# Allegro board LAUNCHXL-CC1312R1.brd (continued)
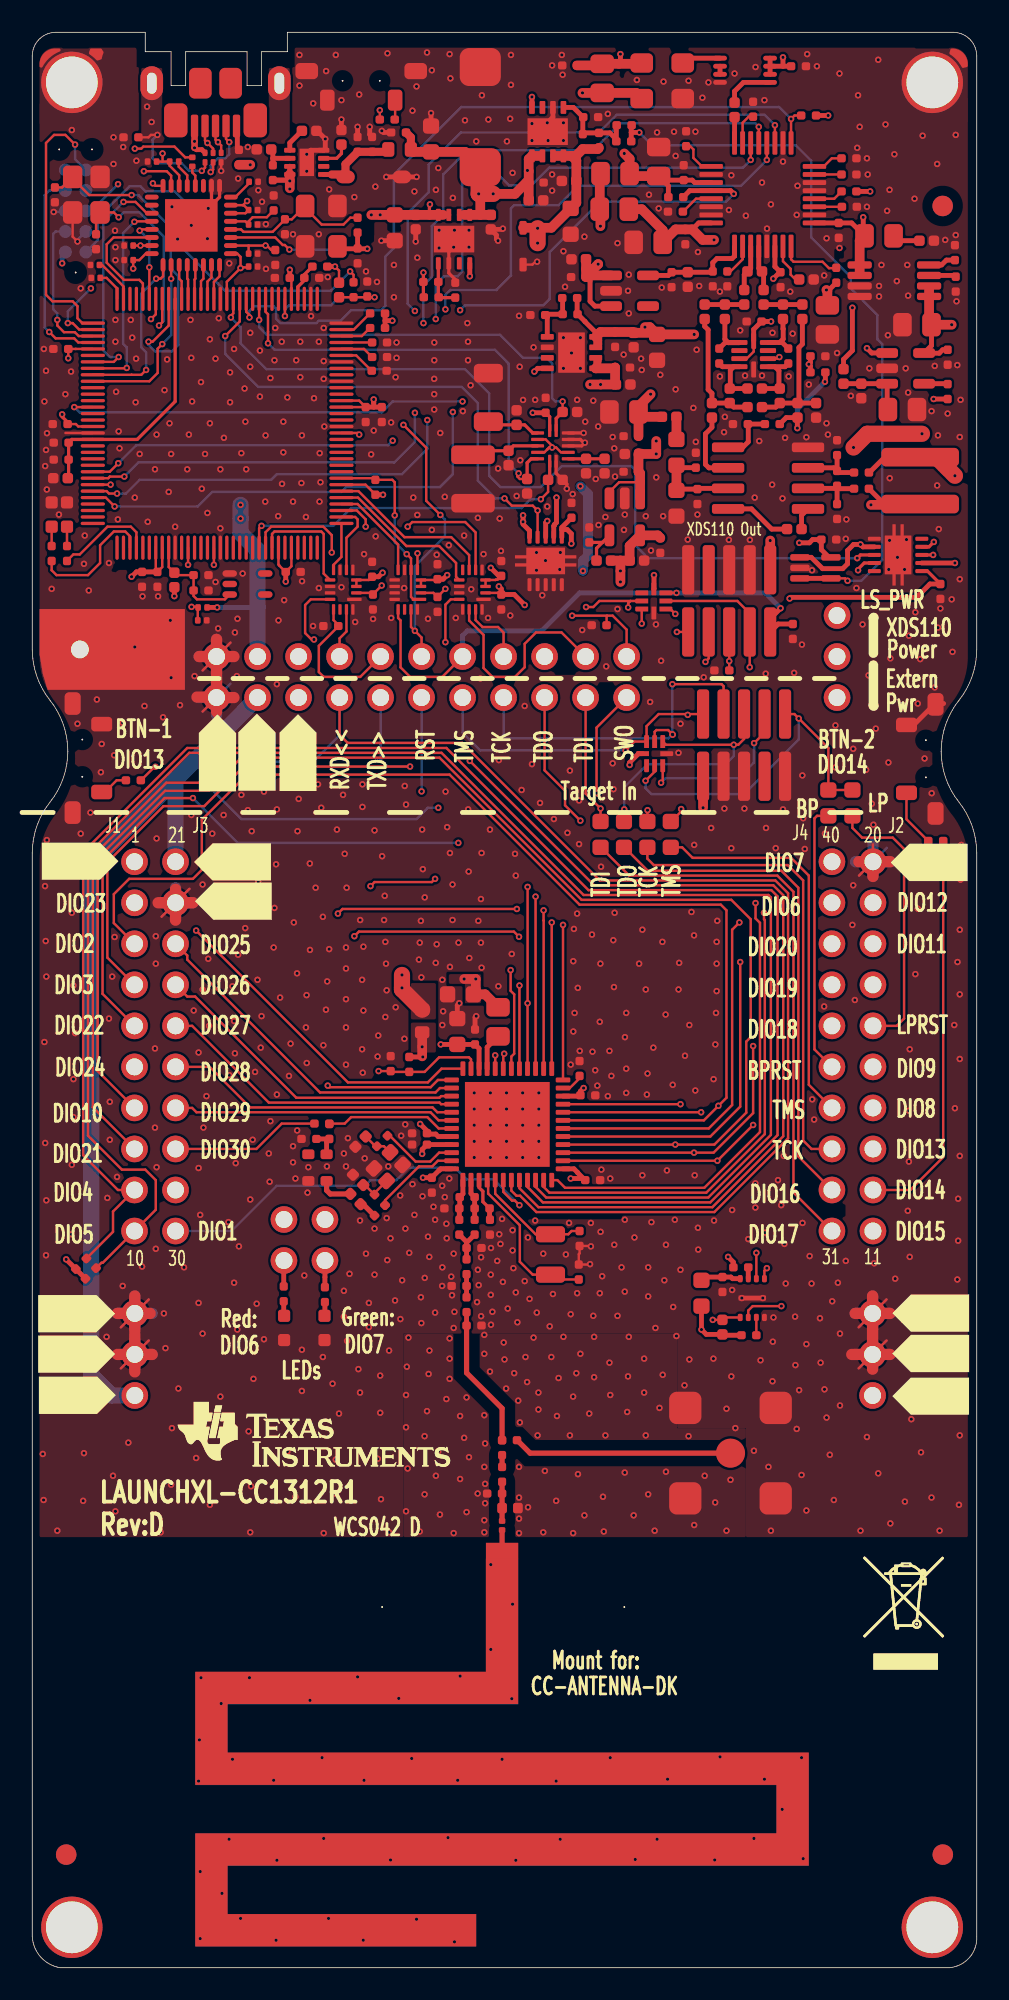
[diagram p0: board, top side]
## Nets (continued)
N3003761: C131.1 R104.1 U35.3
N3003773: R105.2 U35.23
N3003833: C132.2 C134.1 R108.1 U36.2
N3003845: C133.1 R111.1 U37.7
N3003889: R100.2 R106.2 U36.5
N3003929: C130.2 C135.1 R110.1 U37.6
N3003937: C135.2 R112.2 U37.9
N3003989: C136.1 U35.2
N3004061: C129.2 R109.1 R110.2 R115.1 R120.2
N3004137: C131.2 R113.1 U35.4
N3004141: C137.1 U35.11
N3004269: R112.1 R113.2 R120.1
N3004289: C138.1 U35.25
N3004389: R116.2 U35.7
N3004561: R117.2 U35.16
N3004593: R118.2 U35.15
N3004681: R119.2 U35.12
N3004851: U38.2 U39.2 U39.4 U39.9
N3005293: C143.1 R123.2 U39.1
N3005369: R136.2 U40.3
N3005381: C147.1 R121.2 R126.2 U41.3
N3005457: C145.1 U40.4
N3005465: C146.2 R122.2
N3005509: C144.1 R125.2 U39.3
N3005629: R131.2 U41.4
N3005723: C149.1 R130.1 U39.8
N3011605: C153.2 R132.1 R133.2 U42.5
N3011753: C169.1 C172.2 R138.2 R151.1 R152.2 U46.5
N3012529: R134.1 R135.2 U44.4
N3025885: R137.2 U36.1
N3156339: FL3.2 R153.1
N3157182: C23.1 R6.2 Y2.3
N3167465: C108.1 C109.1 CR15.1(CATHODE) FL2.2 U47.5(OUT)
N3174121: CR6.2 J6.4
N3220034: J2.13 R46.1
N3261415: R154.2 R155.2 U47.2
N3263468: C107.1 U47.1
N3266724: R156.2 U47.7
N3270349: R82.1 U15.4
N3291381: C25.1 Y7.3
N3291400: C24.1 R8.1 Y7.4(VCC)
N10367920: CR5.2 R25.1
N10368080: CR4.2 R23.1

Pads without a net: CR7 1; CR8 1; FIDU1 1; FIDU2 1; FIDU3 1; FIDU4 1; FIDU5 1; FIDU6 1; J1 18; J2 8; MH1 1; MH2 1; P5 7; P7 7; P8 7; U5 1 2 5 6 11 13 14 15 18 19 20 21 22 27 29 30 31 32 41 42 43 44 45 46 49 50 53 54 56 57 65 67 71 72 75 93 94 102 107 108 109 111 112 116 117 118 119 125 126 127 128; U6 2 4 5; U7 7; U8 14; U9 8; U10 14; U15 3 9 10; U33 5 10; U37 2 8; U42 7; U43 4; U46 7; U47 6; Y7 1

## Via types
v1: diameter 0.4, hole 0.2, TOP to BOTTOM, 1369 vias
v2: diameter 0.5, hole 0.201, TOP to BOTTOM, 25 vias

## Routing (per net, layer and track width the routed paths; a pad name or vN(x,y) marks a point on that pad's centre or on a via; arc(x,y) is an arc through that point)
5V0: length 154.1
  TOP w0.15: U44.3 35.75,91.35 36.35,91.95 37.65,91.95 ; R82.2 9.47,112.06 8.81,112.73 6.88,112.73 6.75,112.6 v1(6.35,112.6)
  TOP w0.3: R92.2 v1(11.45,84.2) ; C164.1 34.55,104.4 34.55,103.15 34.85,102.85 U43.3 ; v1(31.1,98.8) 31.3,99 U42.8 ; U7.8 v1(27.1,104.7) ; 31.45,112.15 U46.2 ; U42.1 U42.2 35.1,99.45 35.1,99.45 35.1,99.2 34.9,99 ; v1(30.67,111.25) 30.7,111.25 30.75,111.2 ; U46.8 v1(30.95,115.8) ; 26.75,108.5 U7.2
  TOP w0.5: FL2.1 23.45,113.3 C110.1
  TOP w0.6: v1(27.65,109.8) 27.75,109.7 27.75,108.5 ; C175.1 30.6,110.5 29.9,109.8 v1(28.55,109.8) ; C175.1 C171.1 ; C175.1 30.75,111.95 U46.1 31.45,112.15 ; 34.3,105.15 C164.1 34.4,104.75 U43.1 ; 34.3,105.15 34.75,105.15 35.05,105.45 v1(35.05,105.45) ; 34.3,105.15 C157.1 ; C165.1 37.55,96.65 v1(38.3,97.4) ; C165.1 37.85,96 R153.2 ; C165.1 C166.1 ; 27.75,108.5 C48.1 28.4,108.5 ; 27.75,108.5 U7.1 26.75,108.5 ; 37.55,93.75 C160.1 ; C160.1 37.55,93.65 C161.1 37.65,92.5 U44.1 ; C160.1 v1(38.65,93.7) v1(38.65,94.5) ; v1(34.55,98) v1(35.2,98) C151.1 36.1,98.05 C152.1 36.05,99 U42.1 ; 27.65,111.35 C112.1 26.8,112.4 C111.2 23.6,112.4 FL2.1
  TOP w1: v1(28.55,109.8) v1(27.65,109.8) 27.65,111.35
  L3 w0.15: v1(27.65,109.8) 27.67,109.82 27.67,112.1 26.07,113.7 26.07,115.1 25.37,115.8 20.81,115.8 19.91,114.9 7.45,114.9 6.35,113.8 v1(6.35,112.6)
  L3 w0.3: v1(30.95,115.8) 30.53,115.8 30.23,115.5 30.23,111.69 v1(30.67,111.25) ; v1(31.1,98.8) 31.1,97.94 31.11,97.93 31.18,98 v1(34.55,98) ; v1(27.1,104.7) 27.91,104.7
  L3 w0.6: v1(38.65,94.5) 38.63,94.5 ; 27.91,104.7 33.74,104.7 34.49,105.45 v1(35.05,105.45) ; 38.16,97.4 v1(38.3,97.4) ; v1(34.55,98) 34.6,97.95 ; v1(38.65,93.7) 38.63,93.7
  L3 w1: v1(27.65,109.8) v1(28.55,109.8) 28.55,109.38 27.91,108.74 27.91,99.93 29.91,97.93 ; 38.63,93.7 38.63,96.93 37.63,97.93 34.71,97.93 34.71,97.93 34.7,97.93 29.91,97.93 ; 29.91,97.93 29.53,97.93 24.4,92.8 15.15,92.8 v1(12.9,90.55) v1(12.9,89.7)
  BOTTOM w0.3: v1(11.45,84.2) 13.9,84.2 13.95,84.25
  BOTTOM w1: v1(12.9,90.55) v1(12.9,89.7) 12.9,88.8 13.95,87.75 P4.19
5V0_BP: length 54.5
  BOTTOM w1: P2.1 4.9,35.42 3.65,36.67 3.65,68.32 8.87,73.54 ; P4.20 8.87,73.54 ; 8.87,73.54 J1.2
GND: length 302.9
  TOP w0.15: 51.19,39.64 P1.3 52.91,41.36 ; 7.43,40.5 7.3,40.5 ; v1(11.7,111.22) CR6.3 ; 5.49,39.64 P2.3 7.21,41.36 ; 12.27,82.02 P4.21 10.55,80.3 ; v1(2.8,106.85) 2.5,107.15 Y3.2 ; 5.49,37.1 P2.2 7.21,38.82 ; CR14.2 30.98,105.42 31.16,105.6 v1(31.27,105.6) ; v1(34.55,43.55) 34.52,43.52 C41.2 33.85,44.16 33.9,44.21 C51.2 34.57,44.68 v1(34.6,44.65) ; 52.07,67.38 52.07,67.55 ; 52.05,36.88 52.05,37.05 ; 11.41,82.24 11.41,82.22 ; 52.07,69.54 J2.2 51.21,67.6 ; v1(18.75,29.35) 18.65,29.35 ; 10.34,78.62 P4.22 10.55,77.76 ; 51,68.46 51.2,68.46 ; 3.75,95 2.05,95 ; 9.73,66.78 J1.4 8.01,65.06 ; 51.19,37.1 P1.2 52.91,38.82 ; 11.41,77.54 11.41,77.75 ; 8.87,67 8.87,66.75
  TOP w0.2: U39.12 v1(34.15,95) ; v1(33.11,91.55) 33.11,91.55 33.11,91.84 R127.2 32.45,92.5 U39.7 ; v1(26.1,106.5) 25.8,106.2 U7.6 25.8,104.9 26.2,104.5 R34.1 ; U39.10 34.03,94.2 v1(34.23,94.4) 34.15,94.4 33.95,94.6 U39.11
  TOP w0.201: 11.1,109.1 11.6,109.6 U15.1 ; 11.1,109.1 U15.2 ; 11.1,109.1 v1(10.9,108.9)
  TOP w0.3: v1(24.7,114.8) C111.1 ; C110.2 21.75,113.6 v1(21.65,113.7) ; v1(21.62,106.9) C113.2 ; v1(17,112.25) 17.25,112.5 U47.8 18.15,112.6 v1(18.15,113.2) 17.65,113.7 C107.2 ; C17.2 27.42,58.82 v1(27.5,58.9) ; C16.2 26.32,59.57 v1(26.45,59.7) ; C49.2 v1(23.75,106.85) ; v1(20.9,113.95) 20.9,113.47 C108.2 ; 54.65,76.97 55.92,78.25 56.45,78.25 ; J6.5 12.7,113.95 12.7,112.62 C106.2 ; v1(28.85,106.9) 28.75,107 28.75,107.25 C48.2 29.1,107.6 v1(29.15,107.65) ; R156.1 v1(19.15,114.4) ; v1(21.92,110.85) CR15.2 v1(23.8,110.85) ; v1(20.15,113.95) C109.2 ; v1(31.9,114.2) 32.25,114.55 U46.6
  TOP w0.6: MH5.1 2.95,82.65 ; MH5.1 2.95,80.3 ; MH5.1 1.5,81.6 ; MH5.1 4.2,81.6
  TOP w0.7: P2.3 5.27,40.5 ; P2.3 6.35,41.58 ; P2.3 6.35,39.42 ; P2.3 7.3,40.5 ; P2.2 7.43,37.96 ; P2.2 5.27,37.96 ; P2.2 6.35,36.88 ; P2.2 6.35,39.2 ; 11.41,82.22 P4.21 ; P4.21 10.34,81.16 ; P4.21 11.41,80.08 ; P4.21 12.49,81.16 ; 51.2,68.46 J2.2 ; J2.2 52.07,67.55 ; J2.2 53.15,68.46 ; P1.2 53.13,37.96 ; P1.2 50.76,37.96 ; P1.2 52.05,37.05 ; P1.2 P1.3 ; 11.41,77.75 P4.22 ; P4.22 12.49,78.62 ; P4.22 11.38,78.65 10.2,78.65 ; P4.22 11.41,79.86 ; 8.87,66.75 J1.4 ; J1.4 8.87,64.84 ; J1.4 7.8,65.92 ; J1.4 9.95,65.92 ; 50.97,40.5 P1.3 ; P1.3 52.05,41.58 ; P1.3 53.13,40.5
  L2 w0.15: 52.94,69.32 J2.2 51.21,67.6 ; 7.8,65.92 7.95,65.92 ; 52.91,41.36 P1.3 51.19,39.64 ; 6.35,39.42 6.35,39.65 ; 12.27,79.48 P4.22 10.55,77.76 ; 9.73,66.78 J1.4 8.01,65.06 ; 5.49,39.64 P2.3 7.21,41.36 ; 3.83,82.48 MH5.1 2.07,80.72 ; 5.49,37.1 P2.2 7.21,38.82 ; 0.83,115.08 MH3.1 4.07,118.32 ; 11.41,80.08 11.41,80.3 ; 54.13,115.08 MH4.1 54.13,118.32 ; 52.91,38.82 P1.2 51.19,37.1 ; 8.87,64.84 8.87,65.05 ; 12.27,82.02 P4.21 10.55,80.3 ; 11.41,82.24 11.41,82.22 ; 12.49,78.62 12.3,78.62 ; 6.35,39.04 6.35,38.85
  L2 w0.3: 35.15,113.6 34.8,113.6 v1(32.2,111)
  L2 w0.7: MH5.1 1.85,81.6 ; MH5.1 2.95,80.5 ; MH5.1 4.1,81.6 ; MH5.1 2.95,82.7 ; P1.3 50.97,40.5 ; P1.3 52.05,39.42 ; P1.3 53.13,40.5 ; P1.3 52.05,41.58 ; 7.95,65.92 J1.4 ; J1.4 9.95,65.92 ; J1.4 8.87,67 ; J1.4 8.87,65.05 ; P4.22 10.34,78.62 ; P4.22 11.41,77.54 ; P4.22 11.41,79.7 ; P4.22 12.3,78.62 ; P1.2 52.05,36.88 ; P1.2 53.13,37.96 ; P1.2 50.97,37.96 ; P1.2 52.05,39.04 ; J2.2 51,68.46 ; J2.2 52.07,69.54 ; J2.2 52.07,67.38 ; J2.2 53.15,68.46 ; 6.35,39.65 P2.3 ; P2.3 5.27,40.5 ; P2.3 7.43,40.5 ; P2.3 6.35,41.58 ; P2.2 6.35,36.88 ; P2.2 6.35,38.85 ; P2.2 7.43,37.96 ; P2.2 5.27,37.96 ; 11.41,82.22 P4.21 ; P4.21 11.41,80.3 ; P4.21 10.34,81.16 ; P4.21 12.49,81.16
  L2 w1: v1(51.15,115.9) 51.95,116.7 MH4.1 55.75,114 v1(55.15,113.4) ; v1(2.45,113.75) MH3.1 5.3,116.7
  L3 w0.15: 6.35,36.88 P2.2 ; P2.2 6.35,39.04 ; P2.2 5.27,37.96 ; P2.2 7.43,37.96 ; P2.3 7.43,40.5 ; P2.3 6.35,41.58 ; P2.3 6.35,39.42 ; P2.3 5.27,40.5 ; 52.05,36.88 P1.2 ; P1.2 52.05,39.04 ; P1.2 53.13,37.96 ; P1.2 50.97,37.96 ; P4.22 12.49,78.62 ; P4.22 11.41,77.54 ; P4.22 10.34,78.62 ; P4.22 11.41,79.7 ; J1.4 9.95,65.92 ; J1.4 8.87,67 ; J1.4 7.8,65.92 ; 4.07,118.32 MH3.1 0.83,115.08 ; 51,68.46 J2.2 ; J2.2 52.07,69.54 ; J2.2 53.15,68.46 ; J2.2 52.07,67.38 ; 54.13,118.32 MH4.1 54.13,115.08 ; 10.34,81.16 P4.21 ; P4.21 12.49,81.16 ; P4.21 11.41,82.24 ; P4.21 11.41,80.08 ; P1.3 53.13,40.5 ; P1.3 50.97,40.5 ; P1.3 52.05,39.42 ; P1.3 52.05,41.58 ; 2.07,80.72 MH5.1 3.83,82.48
  L3 w0.3: MH5.1 2.95,80.5 ; MH5.1 1.85,81.6 ; MH5.1 2.95,82.7 ; MH5.1 4.05,81.6
  L3 w1: 53.12,116.7 MH4.1 55.75,114.58 ; 4.69,116.7 MH3.1 2.45,114.58
  BOTTOM w0.15: 51.19,39.64 P1.3 52.91,41.36 ; P8.3 2.01,108.69 1.41,108.69 1.4,108.68 v1(1.32,108.68) ; 52.05,39.04 52.05,38.85 ; 10.55,77.76 P4.22 12.27,79.48 ; v1(2.8,106.85) 2.8,106.95 P8.9 ; 6.35,36.88 6.35,37.1 ; 12.49,81.16 12.3,81.16 ; 6.35,39.42 6.35,39.6 ; 9.73,66.78 J1.4 8.01,65.06 ; 11.41,82.24 11.41,82.22 ; 7.21,38.82 P2.2 5.49,37.1 ; 51.21,67.6 J2.2 52.94,69.32 ; 12.27,82.02 P4.21 10.55,80.3 ; 8.87,67 8.87,66.85 ; 6.35,39.04 6.35,38.85 ; 8.87,64.84 8.87,65 ; 52.05,36.88 52.05,37.1 ; 12.49,78.62 12.3,78.62 ; 5.27,37.96 5.5,37.96 ; 51.19,37.1 P1.2 52.91,38.82 ; 7.8,65.92 8,65.92 ; 7.21,41.36 P2.3 5.49,39.64 ; 52.07,67.38 52.07,67.55
  BOTTOM w0.6: MH5.1 4.25,81.6 ; MH5.1 1.6,81.6 ; MH5.1 2.95,82.8 ; MH5.1 2.95,80.45
  BOTTOM w0.7: 10.34,78.62 P4.22 ; P4.22 12.3,78.62 ; P4.22 11.41,77.54 ; P4.22 P4.21 ; 8,65.92 J1.4 ; J1.4 8.87,65 ; J1.4 9.95,65.92 ; J1.4 8.87,66.85 ; J2.2 52.07,69.54 ; J2.2 52.07,67.55 ; J2.2 53.15,68.46 ; J2.2 51,68.46 ; 52.05,38.85 P1.2 ; P1.2 53.13,37.96 ; P1.2 52.05,37.1 ; P1.2 50.97,37.96 ; 10.34,81.16 P4.21 ; P4.21 12.3,81.16 ; P4.21 11.41,82.22 ; 6.35,38.85 P2.2 ; P2.2 6.35,37.1 ; P2.2 7.43,37.96 ; P2.2 5.5,37.96 ; P2.3 6.35,41.58 ; P2.3 7.43,40.5 ; P2.3 5.27,40.5 ; P2.3 6.35,39.6 ; 52.05,39.42 P1.3 ; P1.3 52.05,41.58 ; P1.3 50.97,40.5 ; P1.3 53.13,40.5
  vias: v1(0.65,35.45) v1(0.65,31.8) v1(0.72,100.2) v1(0.75,96.95) v1(0.8,92.95) v1(0.79,66.95) v1(0.75,57.3) v1(0.8,51.05) v1(0.7,39.55) v1(0.7,28.95) v1(0.85,98.85) v1(0.85,93.95) v1(0.9,91.5) v1(0.9,69.8) v1(0.83,63.55) v1(0.87,61.35) v1(0.87,47.5) v1(0.85,44.1) v1(0.91,94.99) v1(1.2,85.35) v1(1.55,27.05) v1(1.65,89.95) v1(1.8,37.55) v1(2.05,97.4) v1(2.4,98.8) v1(2.45,65.3) v1(2.45,49.7) v1(2.43,45.4) v1(2.45,40.8) v1(2.55,60.8) v1(2.55,55) v1(2.55,52.65) v1(2.65,68.5) v1(2.65,57.85) v1(2.8,77) v1(3,103.95) v1(3,70.2) v1(3.2,86.9) v1(3.2,31.85) v1(3.15,28.9) v1(3.25,88.65) v1(3.5,85.25) v1(3.5,35.35) v1(3.6,71.5) v1(4,78.5) v1(4.3,75.75) v1(4.25,74) v1(4.65,47.65) v1(4.6,39.05) v1(4.75,86.95) v1(4.75,58.75) v1(4.8,53.6) v1(4.8,51.25) v1(4.95,61.35) v1(5.03,113.3) v1(5.03,111.65) v1(5.07,75.05) v1(5,30.45) v1(5.12,107.52) v1(5.15,106.5) v1(5.15,105.7) v1(5.15,102) v1(5.15,100.65) v1(5.19,97.55) v1(5.1,63.8) v1(5.15,28.25) v1(5.3,89.65) v1(5.25,48.95) v1(5.35,95.1) v1(5.4,94.05) v1(5.63,112.7) v1(5.6,77.05) v1(5.6,42.2) v1(5.95,32.5) v1(6.1,102) v1(6.19,100.9) v1(6.4,96.9) v1(6.35,91) v1(6.35,81.75) v1(6.45,111.85) v1(6.43,99.6) v1(6.65,93.7) v1(6.8,43.4) v1(6.83,84.89) v1(6.95,78.1) v1(7.15,89.5) v1(7.6,92.75) v1(7.65,63.85) v1(7.65,62.15) v1(7.6,56.9) v1(7.6,52) v1(7.65,44.5) v1(7.7,94.9) v1(7.79,84.89) v1(7.7,69.9) v1(7.7,49.55) v1(7.95,26.95) v1(8.19,97.65) v1(8.1,77.4) v1(8.15,40.5) v1(8.25,38.35) v1(8.35,99.55) v1(8.45,91.35) v1(8.5,95.6) v1(8.55,83.4) v1(8.65,109) v1(8.6,93.7) v1(8.6,79.85) v1(8.65,33.4) v1(8.6,29.9) v1(8.85,89.2) v1(9,107) v1(9.05,35.85) v1(9.15,78.15) v1(9.4,43.35) v1(9.6,92.75) v1(9.8,102) v1(9.7,94.9) v1(9.85,107.85) v1(9.85,99.65) v1(9.9,96.95) v1(9.85,71.35) v1(10.05,79.95) v1(10,59.25) v1(10.15,31.55) v1(10.3,56.65) v1(10.3,49.5) v1(10.3,41.15) v1(10.4,46.6) v1(10.45,98.15) v1(10.5,91.55) v1(10.55,67.05) v1(10.55,60.55) v1(10.55,39.25) v1(10.6,52) v1(10.7,93.7) v1(10.79,53.95) v1(10.85,107.02) v1(10.85,90.05) v1(10.9,62.45) v1(10.95,58.3) v1(11,100.8) v1(11,95.6) v1(11,28.65) v1(11.15,70.2) v1(11.25,65.1) v1(11.35,99.6) v1(11.35,85.78) v1(11.35,68.3) v1(11.55,102.1) v1(11.51,82.9) v1(11.65,92.75) v1(11.65,89.1) v1(11.65,35.35) v1(11.87,94.7) v1(11.85,71.35) v1(12.2,105.5) v1(12.2,55.25) v1(12.15,46.15) v1(12.25,98.75) v1(12.25,96.9) v1(12.4,60.75) v1(12.45,68.85) v1(12.5,100.2) v1(12.55,82.65) v1(12.5,58.6) v1(12.55,56.6) v1(12.5,42.4) v1(12.67,79.95) v1(12.6,49.8) v1(12.75,110.75) v1(12.71,83.5) v1(12.75,62.7) v1(12.8,44.65) v1(12.7,39.5) v1(12.95,93.75) v1(12.95,72.6) v1(13.03,86.3) v1(13,66.25) v1(13.15,97.75) v1(13.2,95.7) v1(13.19,64.35) v1(13.25,92.75) v1(13.35,112.7) v1(13.35,71.65) v1(13.4,33.2) v1(13.5,101.2) v1(13.5,99.1) v1(13.59,70.35) v1(13.5,47.55) v1(13.55,29.8) v1(13.5,26.95) v1(13.65,51.25) v1(13.8,55.45) v1(13.7,36.45) v1(13.9,41.1) v1(13.95,61.15) v1(14,110.02) v1(14,67.2) v1(14.1,100.1) v1(14.1,97.25) v1(14.2,58.9) v1(14.15,56.95) v1(14.23,109.31) v1(14.35,72.8) v1(14.35,38.9) v1(14.47,107.93) v1(14.47,105.16) v1(14.45,94.85) v1(14.43,90.75) v1(14.65,50.4) v1(14.75,98.4) v1(14.75,52.4) v1(14.7,48.65) v1(14.95,63.15) v1(15.05,101.5) v1(15,99.5) v1(15,65.6) v1(15.15,79.45) v1(15.15,71.7) v1(15.1,68.3) v1(15.15,54.05) v1(15.23,89.85) v1(15.25,83.4) v1(15.35,60.05) v1(15.45,100.65) v1(15.47,91.85) v1(15.55,95.7) v1(15.55,93.8) v1(15.6,84.65) v1(15.8,97.2) v1(15.7,73.25) v1(15.8,31.95) v1(15.9,55.2) v1(16,57.2) v1(16.15,107.3) v1(16.15,90.75) v1(16.2,64.7) v1(16.15,50.85) v1(16.15,49.85) v1(16.3,48.85) v1(16.3,29.15) v1(16.35,99.5) v1(16.4,61.55) v1(16.43,70.35) v1(16.41,51.82) v1(16.55,118.4) v1(16.55,116.5) v1(16.5,72.35) v1(16.6,100.65) v1(16.6,98.45) v1(16.67,91.9) v1(16.7,94.85) v1(16.71,85.82) v1(16.7,38.25) v1(16.7,35.7) v1(16.85,42.85) v1(16.95,89.8) v1(16.99,60.2) v1(16.95,58.2) v1(17,111.2) v1(17,56) v1(17.05,47.97) v1(17.19,68.35) v1(17.2,63) v1(17.1,49.55) v1(17.27,102.23) v1(17.4,115.4) v1(17.39,83.05) v1(17.45,97.15) v1(17.55,66.85) v1(17.75,107.3) v1(17.75,100.65) v1(17.8,93.75) v1(17.79,90.75) v1(17.75,85.4) v1(17.7,73.25) v1(17.85,91.95) v1(17.9,71.8) v1(18.05,101.5) v1(18.05,99.45) v1(18.05,98.35) v1(18.09,95.4) v1(18,65.05) v1(18.03,57.1) v1(18,37.8) v1(18.05,26.9) v1(18.2,117.4) v1(18.19,59.3) v1(18.3,104.65) v1(18.27,61.05) v1(18.25,49.6) v1(18.39,110.08) v1(18.39,63.05) v1(18.6,36.15) v1(18.8,118.4) v1(18.8,31.45) v1(18.87,70.45) v1(19,34.3) v1(19.15,115.6) v1(19.15,85.45) v1(19.25,72.6) v1(19.3,50.4) v1(19.3,41.9) v1(19.3,40.3) v1(19.35,68.95) v1(19.47,66.85) v1(19.43,63.15) v1(19.43,61.85) v1(19.43,59.95) v1(19.43,58.2) v1(19.43,55.9) v1(19.43,49.6) v1(19.55,51.35) v1(19.5,38.8) v1(19.65,42.95) v1(19.95,109.6) v1(20,83.3) v1(20.2,37.05) v1(20.25,115.95) v1(20.3,46.25) v1(20.3,35.6) v1(20.31,64.85) v1(20.45,73.25) v1(20.45,71.85) v1(20.43,61.15) v1(20.43,56.85) v1(20.47,55.4) v1(20.55,87.5) v1(20.51,63.2) v1(20.51,59.25) v1(20.59,50.1) v1(20.67,105) v1(20.67,44.2) v1(20.85,41.15) v1(20.85,39.65) v1(20.99,93.68) v1(21.15,95.15) v1(21.11,83.49) v1(21.2,70.4) v1(21.2,45.75) v1(21.2,42.9) v1(21.25,110.25) v1(21.27,88.6) v1(21.35,104.35) v1(21.39,56.4) v1(21.4,31.5) v1(21.43,57.7) v1(21.55,36.65) v1(21.55,34.35) v1(21.67,68.8) v1(21.6,29) v1(21.79,64.85) v1(21.83,66.35) v1(21.87,63.5) v1(21.87,58.85) v1(21.91,62.15) v1(21.95,60.5) v1(21.95,46.4) v1(21.99,43.8) v1(22,118.5) v1(22.05,49.6) v1(22.19,45.15) v1(22.1,38.2) v1(22.1,26.95) v1(22.23,95.65) v1(22.23,83.55) v1(22.4,105.4) v1(22.4,103.4) v1(22.47,41.3) v1(22.56,100.6) v1(22.56,99.65) v1(22.5,98.45) v1(22.51,59.45) v1(22.79,47.8) v1(22.8,40.15) v1(22.85,51.5) v1(22.91,42.55) v1(23.03,85.4) v1(23.07,73.15) v1(23.05,57.5) v1(23.15,72) v1(23.1,52.2) v1(23.11,45.75) v1(23.2,37.2) v1(23.15,35.45) v1(23.15,33.45) v1(23.15,28.25) v1(23.3,39) v1(23.25,30.9) v1(23.35,44.25) v1(23.55,114.95) v1(23.55,48.5) v1(23.67,109.95) v1(23.6,91) v1(23.67,46.6) v1(23.8,116.45) v1(23.85,105.85) v1(23.85,89.93) v1(23.95,62.4) v1(24.07,64.8) v1(24,63.45) v1(24.07,41.5) v1(24,27) v1(24.15,70.45) v1(24.19,68) v1(24.1,61.3) v1(24.17,47.75) v1(24.1,39.9) v1(24.3,32.9) v1(24.3,29.3) v1(24.31,66.25) v1(24.31,42.7) v1(24.45,118.55) v1(24.45,34.45) v1(24.51,83.5) v1(24.51,45.25) v1(24.59,44) v1(24.55,36.75) v1(24.6,38.2) v1(24.75,117.45) v1(24.75,89) v1(24.9,100.6) v1(24.9,99.5) v1(24.89,98.35) v1(24.89,97.4) v1(24.89,96.45) v1(24.85,47.1) v1(24.99,62.2) v1(24.95,46.3) v1(24.95,40.55) v1(25,110.05) v1(25.05,87.46) v1(25.05,63.35) v1(25,30.45) v1(25.15,111.4) v1(25.2,107.55) v1(25.2,106.45) v1(25.15,31.95) v1(25.27,95) v1(25.25,28.05) v1(25.4,61.15) v1(25.4,58.35) v1(25.39,48.4) v1(25.4,43.35) v1(25.39,42.2) v1(25.45,59.2) v1(25.55,91.05) v1(25.55,47.7) v1(25.6,72.8) v1(25.65,46.05) v1(25.67,45.15) v1(25.65,35.2) v1(25.8,88.05) v1(25.7,70.6) v1(25.85,118.45) v1(25.9,116.95) v1(25.87,69) v1(25.87,61.95) v1(25.83,48.85) v1(25.85,38.95) v1(25.85,37.7) v1(25.85,36.45) v1(25.95,42.78) v1(26.05,109.55) v1(26.03,67.05) v1(26.03,64.85) v1(26,41.62) v1(26.15,107.55) v1(26.1,44.2) v1(26.15,40.6) v1(26.1,39.6) v1(26.1,26.9) v1(26.23,83.55) v1(26.4,63.45) v1(26.5,34.15) v1(26.5,30.25) v1(26.67,96.35) v1(26.8,114.35) v1(26.75,88.65) v1(26.75,32.8) v1(26.9,35.3) v1(26.9,28.2) v1(26.95,101.8) v1(26.99,100.65) v1(26.99,99.5) v1(27.05,107.55) v1(27.05,106.5) v1(27,71.7) v1(27.03,67.85) v1(27.07,62.5) v1(27.05,31.6) v1(27.15,97.95) v1(27.19,85.32) v1(27.5,113.05) v1(27.55,41.2) v1(27.59,29.35) v1(27.6,89.75) v1(27.63,64.8) v1(27.6,43.2) v1(27.65,42.25) v1(27.75,79.8) v1(27.79,66.15) v1(27.79,63.45) v1(27.8,43.97) v1(27.8,40.33) v1(27.85,115.9) v1(27.83,69) v1(27.83,61.9) v1(27.95,87.5) v1(28,39.17) v1(28,38) v1(28,34.2) v1(28.05,32.45) v1(28,31) v1(28.05,29.95) v1(28.05,28.75) v1(28,27.7) v1(28,26.95) v1(28.25,114.4) v1(28.23,83.55) v1(28.35,70.45) v1(28.4,42.9) v1(28.4,41.65) v1(28.35,36.9) v1(28.41,44.55) v1(28.41,39.8) v1(28.5,40.6) v1(28.8,43.75) v1(28.85,92.8) v1(28.9,74.75) v1(28.87,60.75) v1(28.95,89.7) v1(28.93,45.4) v1(29.03,87.7) v1(29,44.8) v1(29.1,46.35) v1(29.15,42.45) v1(29.2,38.7) v1(29.25,37.65) v1(29.4,113.05) v1(29.35,35.85) v1(29.45,40.8) v1(29.65,118.4) v1(29.65,116.55) v1(29.6,114.45) v1(29.61,83.7) v1(29.75,111.1) v1(29.7,62.75) v1(29.75,45.65) v1(29.75,44.4) v1(29.8,43.3) v1(29.9,68.95) v1(29.85,36.8) v1(29.95,67.6) v1(29.95,41.8) v1(30,91.1) v1(30.05,39.95) v1(30.15,102.25) v1(30.19,99.1) v1(30.1,35.1) v1(30.2,33.75) v1(30.15,31) v1(30.15,29.1) v1(30.15,27.8) v1(30.15,26.9) v1(30.23,93.31) v1(30.4,97.04) v1(30.31,72.9) v1(30.5,78.1) v1(30.5,42.5) v1(30.55,37.8) v1(30.65,36.25) v1(30.7,45.2) v1(30.8,41.4) v1(30.71,28.5) v1(30.95,114.15) v1(30.95,113.1) v1(30.95,74.5) v1(31.05,100.3) v1(31.05,39) v1(31.15,97.05) v1(31.15,46.25) v1(31.23,87.6) v1(31.23,86.5) v1(31.25,40.55) v1(31.3,32.95) v1(31.35,35.6) v1(31.35,34.55) v1(31.45,72.1) v1(31.59,84.95) v1(31.65,44.2) v1(31.65,26.95) v1(31.79,87.1) v1(31.75,30.75) v1(31.9,90.45) v1(31.95,113.1) v1(32.05,39.7) v1(32.2,117.75) v1(32.2,110) v1(32.15,37.8) v1(32.25,41.7) v1(32.31,71.1) v1(32.45,28.9) v1(32.5,34.15) v1(32.67,86.55) v1(32.6,36.5) v1(32.8,118.4) v1(32.71,87.6) v1(32.85,117.17) v1(32.9,114.2) v1(32.9,113.1) v1(32.9,106.25) v1(32.9,100.9) v1(32.9,99) v1(32.9,39.05) v1(33,104.05) v1(33.05,44.15) v1(33.15,70.25) v1(33.3,74.1) v1(33.25,46.1) v1(33.3,32.95) v1(33.4,99.95) v1(33.35,55.9) v1(33.35,40.45) v1(33.47,91.22) v1(33.55,64.3) v1(33.51,62.3) v1(33.59,59.1) v1(33.51,57.95) v1(33.5,35.35) v1(33.5,26.9) v1(33.75,97.05) v1(33.75,65.25) v1(33.79,60.65) v1(33.75,41.75) v1(33.7,36.8) v1(33.8,30.55) v1(33.87,72.25) v1(33.87,69.55) v1(33.95,100.9) v1(33.95,99) v1(33.91,56.75) v1(33.95,38) v1(34.06,82.8) v1(34.2,107.15) v1(34.2,28) v1(34.25,95.7) v1(34.5,34.3) v1(34.67,63.95) v1(34.6,46.1) v1(34.75,97) v1(34.7,56.7) v1(34.75,40.35) v1(34.8,39.05) v1(34.8,36.55) v1(34.9,92.15) v1(34.87,55.55) v1(35.05,95.4) v1(35.08,89.3) v1(35,54.6) v1(35.19,62.15) v1(35.15,58.55) v1(35.2,45.55) v1(35.15,41.75) v1(35.23,68.15) v1(35.25,49.4) v1(35.3,42.8) v1(35.35,29.15) v1(35.4,27) v1(35.5,89.8) v1(35.55,80.55) v1(35.5,32.95) v1(35.65,114.75) v1(35.65,53.95) v1(35.75,56.75) v1(35.8,48.85) v1(35.75,37.45) v1(35.8,35.45) v1(35.87,55.2) v1(35.95,94.75) v1(35.95,74.55) v1(35.99,63.6) v1(36.05,94.05) v1(36.1,92.3) v1(36,72.95) v1(36.07,65.3) v1(36.03,60.7) v1(36.05,44.75) v1(36.25,106.75) v1(36.25,84.1) v1(36.25,40.35) v1(36.5,43.35) v1(36.63,99.85) v1(36.65,89) v1(36.7,89.95) v1(36.79,59.1) v1(36.71,57.6) v1(36.79,55.65) v1(36.79,54.15) v1(36.7,46.3) v1(36.7,41.85) v1(36.7,30.65) v1(36.9,103.8) v1(36.9,36.6) v1(36.85,34.4) v1(36.95,104.8) v1(36.95,102.4) v1(36.95,39.05) v1(37.3,45.2) v1(37.25,28) v1(37.45,116.85) v1(37.59,62.15) v1(37.71,99.6) v1(37.75,98.9) v1(37.79,64.25) v1(37.79,49.05) v1(37.9,37.7) v1(37.9,35.6) v1(38,89.85) v1(38,60.55) v1(38.07,54.05) v1(38,32.95) v1(38.2,109.75) v1(38.11,55.35) v1(38.15,43.35) v1(38.15,41.55) v1(38.15,29.3) v1(38.27,78.35) v1(38.32,87.72) v1(38.35,46.15) v1(38.47,56.95) v1(38.55,27.05) v1(38.65,92.25) v1(38.63,83.15) v1(38.6,39.6) v1(38.7,113.6) v1(38.8,108.9) v1(38.9,98.6) v1(38.85,34.65) v1(38.99,104) v1(38.95,80.9) v1(39.07,89.85) v1(39.03,63.5) v1(39.05,36.7) v1(39.1,116.75) v1(39.15,42.55) v1(39.23,59) v1(39.25,44.75) v1(39.25,30.7) v1(39.31,49.35) v1(39.67,54.65) v1(39.75,113.65) v1(39.8,46.3) v1(39.7,40.9) v1(39.85,112.15) v1(39.85,97.7) v1(39.9,39.1) v1(40.03,75.2) v1(40.07,62.2) v1(40.03,60.55) v1(40.15,77) v1(40.15,43.2) v1(40.4,36.05) v1(40.43,56.45) v1(40.65,116.8) v1(40.6,88.4) v1(40.65,32.9) v1(40.7,58.35) v1(40.7,37.65) v1(40.83,65.35) v1(40.95,96.55) v1(40.99,63.9) v1(41.08,113.65) v1(41,69.5) v1(41.07,54.3) v1(41.03,49.05) v1(41,27.4) v1(41.15,100.15) v1(41.1,94.45) v1(41.2,89.95) v1(41.23,106.2) v1(41.23,45.8) v1(41.25,44.45) v1(41.31,104.1) v1(41.51,115.75) v1(41.59,79.88) v1(41.65,30.45) v1(41.88,116.7) v1(42.05,70.55) v1(42.2,55) v1(42.19,37.7) v1(42.23,46.25) v1(42.3,28.8) v1(42.39,63.5) v1(42.39,62.15) v1(42.39,60.45) v1(42.35,59.1) v1(42.31,57.15) v1(42.43,64.8) v1(42.59,103.75) v1(42.59,98.5) v1(42.9,96) v1(42.85,95.05) v1(42.87,71.75) v1(43,34.6) v1(43,27.05) v1(43.15,108.8) v1(43.15,88.38) v1(43.3,110.95) v1(43.3,69.3) v1(43.3,36.6) v1(43.25,30.2) v1(43.35,46.9) v1(43.35,41.95) v1(43.5,117.25) v1(43.55,33.4) v1(43.85,101.35) v1(43.95,41.45) v1(44.2,108.45) v1(44.15,98.55) v1(44.11,71.75) v1(44.35,45.1) v1(44.45,88.38) v1(44.8,117.65) v1(44.75,91) v1(44.79,48.55) v1(44.79,47.05) v1(44.7,32) v1(45.03,94.5) v1(45.2,110.5) v1(45.2,98.55) v1(45.11,37.6) v1(45.25,41.45) v1(45.35,115.6) v1(45.39,45.5) v1(45.43,80.1) v1(45.45,70.55) v1(45.51,107.65) v1(45.6,31) v1(45.75,109.15) v1(45.75,27.05) v1(45.85,101.2) v1(45.83,91.8) v1(45.87,38.75) v1(45.85,36.3) v1(45.91,40.25) v1(46.05,69.3) v1(46.19,48.75) v1(46.39,47.2) v1(46.47,90.95) v1(46.5,111.8) v1(46.5,71.7) v1(46.55,50.25) v1(46.59,44.8) v1(46.63,94.7) v1(46.67,42.35) v1(46.85,98.5) v1(46.95,103.75) v1(47.1,101.15) v1(47.19,80.15) v1(47.25,40.3) v1(47.27,37.3) v1(47.4,110.3) v1(47.35,108.5) v1(47.35,33.35) v1(47.5,35.75) v1(47.67,81.9) v1(47.65,30.5) v1(47.7,73.8) v1(47.75,71.15) v1(47.71,46.1) v1(47.85,69.25) v1(47.95,94.74) v1(47.95,38.6) v1(47.95,28.3) v1(48,118.45) v1(48.1,98) v1(48.15,44.05) v1(48.3,86.5) v1(48.27,42.35) v1(48.31,53.75) v1(48.43,52.5) v1(48.6,117.7) v1(48.79,40.2) v1(48.83,37.45) v1(49.05,104.75) v1(49.05,59.5) v1(49.07,35.8) v1(49.2,107.05) v1(49.2,95.6) v1(49.1,70.2) v1(49.2,34.05) v1(49.28,94.9) v1(49.4,31.75) v1(49.55,41.25) v1(49.65,28.95) v1(49.75,76.9) v1(49.75,74.3) v1(49.85,99.95) v1(49.9,42.4) v1(50,117.25) v1(50,106.45) v1(50.03,39.25) v1(50.03,34.8) v1(50.39,88.45) v1(50.39,43.75) v1(50.43,89.65) v1(50.7,97.3) v1(50.8,64.55) v1(50.85,75.45) v1(50.85,67) v1(50.95,59.9) v1(51.05,85.4) v1(51.1,112.65) v1(51.25,113.95) v1(51.3,27.05) v1(51.43,83.15) v1(51.65,74.15) v1(51.7,112) v1(51.75,111) v1(51.7,109) v1(51.8,80) v1(51.7,32.85) v1(51.85,99) v1(52,72.05) v1(52.1,70.75) v1(52.15,43.6) v1(52.25,76.7) v1(52.4,118.1) v1(52.4,30.6) v1(52.45,104.1) v1(52.45,103.45) v1(52.6,105.4) v1(52.85,114.1) v1(52.95,108.75) v1(53,101.05) v1(53.05,86.55) v1(53.03,74.6) v1(53.1,110.05) v1(53.11,92.2) v1(53.1,88.35) v1(53.15,81.05) v1(53.15,27.5) v1(53.4,112.25) v1(53.45,42.65) v1(53.55,104.4) v1(53.59,87.3) v1(54.03,86.55) v1(54.05,28.85) v1(54.2,105.4) v1(54.1,99) v1(54.15,88.4) v1(54.25,103.5) v1(54.25,97.5) v1(54.3,82.45) v1(54.3,53.05) v1(54.3,49.9) v1(54.23,46.85) v1(54.35,56.85) v1(54.35,44) v1(54.4,38.2) v1(54.45,33.95) v1(54.55,41.15) v1(54.65,109.5) v1(54.7,83.9) v1(54.8,68.6) v1(54.7,61.5) v1(54.85,78.25) v1(54.85,65.55) v1(55,81) v1(55.05,31.9) v1(55.27,74.85) v1(55.4,35.35) v1(55.7,96.35) v1(55.71,72.7) v1(55.7,29.1) v1(55.9,99.15) v1(55.9,79.25) v1(56.05,111.65) v1(56.1,94.85) v1(56.05,91.75) v1(56.1,82.95) v1(56.15,89.05) v1(56.2,27.05) v1(56.25,84.14) v1(56.55,106.95) v1(56.7,96.2) v1(56.85,35.5) v1(56.95,84.7) v1(57,81.45) v1(57.2,113.45) v1(57.2,107.25) v1(57.11,58.35) v1(57.15,53.2) v1(57.25,103.15) v1(57.3,99.2) v1(57.31,62.25) v1(57.35,47.6) v1(57.35,45) v1(57.3,42.6) v1(57.31,40.15) v1(57.35,37.15) v1(57.4,28.65) v1(57.45,94.75) v1(57.45,85.95) v1(57.45,64.25) v1(57.45,60.25) v1(57.45,56.25) v1(57.45,50.25) v1(57.45,32.95) v1(57.5,97.05) v1(57.55,69.5) v1(57.5,67.35) v2(27.38,54.15) v2(27.38,53.15) v2(27.38,52.15) v2(27.38,51.15) v2(27.38,50.15) v2(28.38,54.15) v2(28.38,53.15) v2(28.38,52.15) v2(28.38,51.15) v2(28.38,50.15) v2(29.38,54.15) v2(29.38,53.15) v2(29.38,52.15) v2(29.38,51.15) v2(29.38,50.15) v2(30.38,54.15) v2(30.38,53.15) v2(30.38,52.15) v2(30.38,51.15) v2(30.38,50.15) v2(31.38,54.15) v2(31.38,53.15) v2(31.38,52.15) v2(31.38,51.15) v2(31.38,50.15)
